# Altium PCB PCB_v6.PcbDoc (part 2 of 7) (continued)
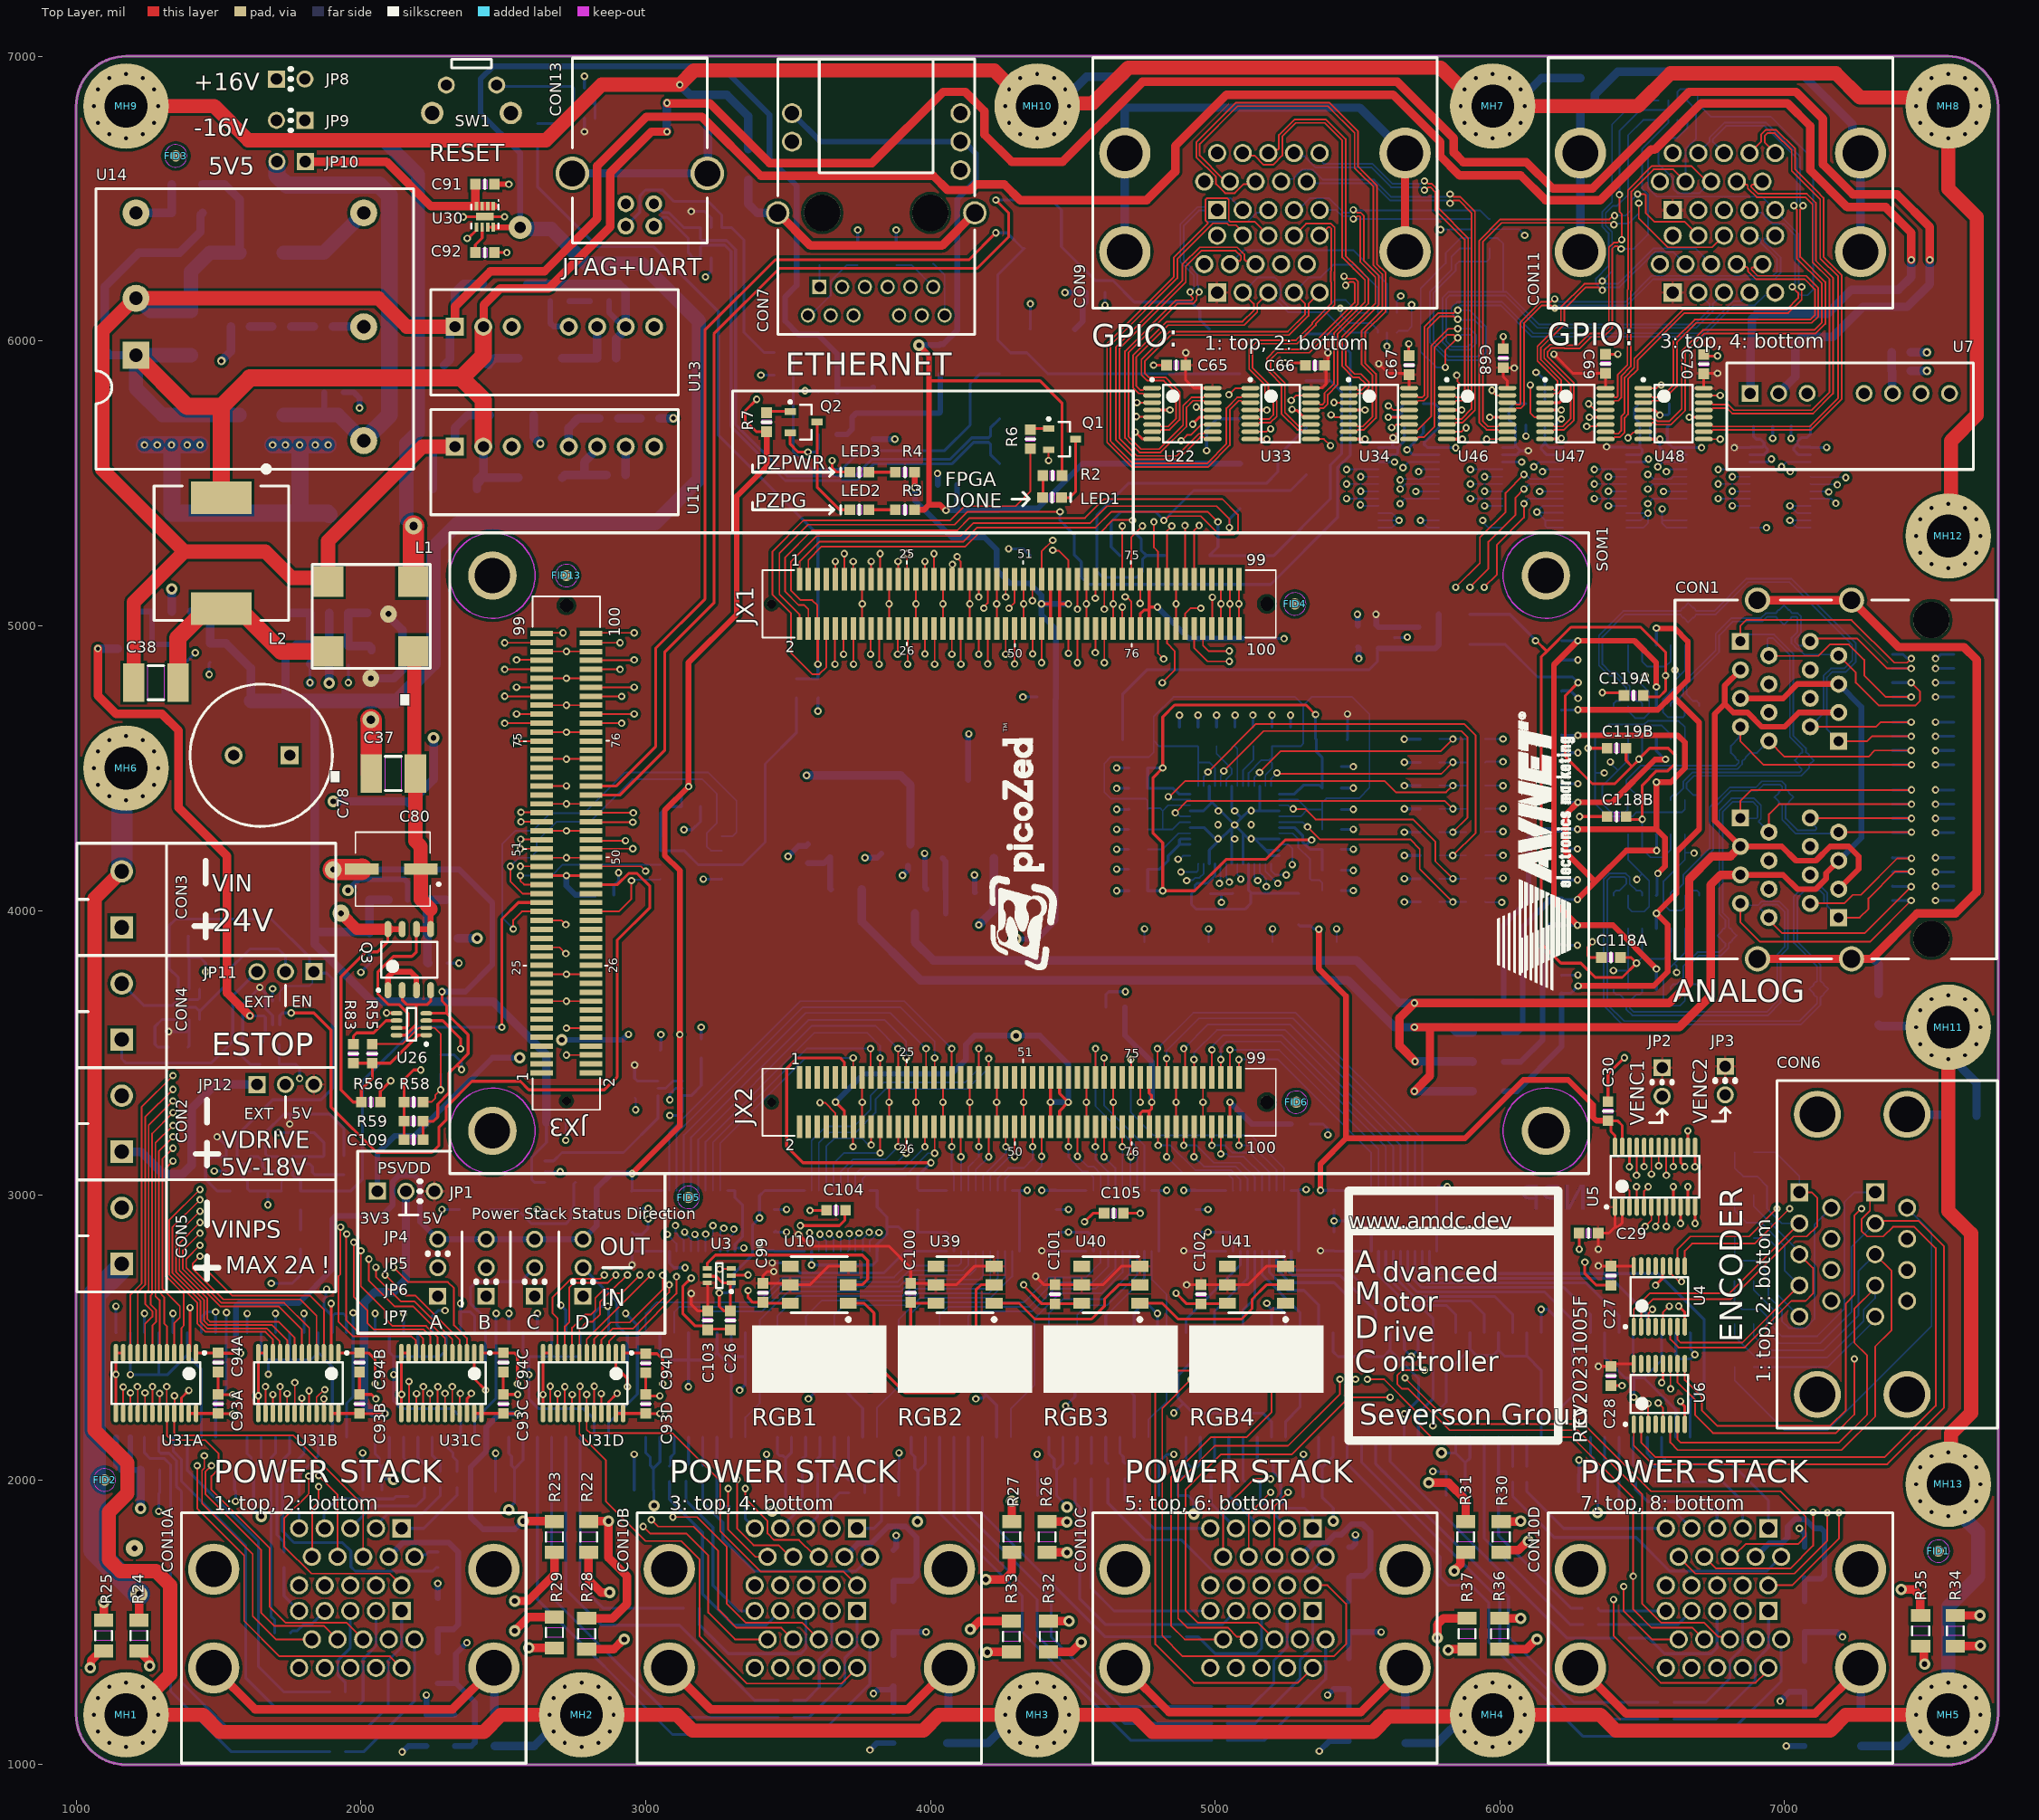
[diagram p0: Top Layer view]
## Part data
C1 C51 C52 C53 C54 C55 C56 C61 C62 C63 C64: Supplier Part Number 1=1276-1192-6-ND, Supplier 1=Digi-Key
C2 C3 C4 C8 C13 C18 C22 C83 C87 C89 C90 C104 C105 C106: Supplier Part Number 1=1276-1119-6-ND, Supplier 1=Digi-Key
C5 C26 C43 C45 C57 C58 C59 C60 C72A C72B C72C C72D C72E C72F C75A C75B C75C C75D C75E C75F C82A C82B C84A C84B C85A C85B C88A C88B C91 C98 C103 C115 C116 C117: Supplier Part Number 1=1276-6524-6-ND, Supplier 1=Digi-Key
C6 C7 C9 C10 C11 C12 C14 C15 C16 C17 C19 C20 C21 C23 C24 C25 C27 C28 C29 C30 C31 C32 C33 C34 C65 C66 C67 C68 C69 C70 C71A C71B C71C C71D C71E C71F C73A C73B C73C C73D C73E C73F C74A C74B C74C C74D C74E C74F C76A C76B C76C C76D C76E C76F C92 C93A C93B C93C C93D C93E C93F C93G C93H C94A C94B C94C C94D C94E C94F C94G C94H C99 C100 C101 C102 C107 C110 C111 C112 C113 C114 C118A C118B C119A C119B: Supplier Part Number 1=1276-1012-6-ND, Supplier 1=Digi-Key
C35 C36 C41 C42 C47 C48: Supplier Part Number 1=709-1046-6-ND, Supplier 1=Digi-Key
C37 C38 C40 C46 C49 C95: Supplier Part Number 1=445-3919-6-ND, Supplier 1=Digi-Key
C39 C44 C50 C96 C97: Supplier Part Number 1=445-9015-6-ND, Supplier 1=Digi-Key
C77A C77B C79A C79B C81A C81B C86A C86B C108 C109: Supplier Part Number 1=1276-2041-1-ND, Supplier 1=Digi-Key
C78: "Polarized Capacitor (Radial)", Supplier Part Number 1=493-12786-1-ND, Supplier 1=Digi-Key
C80: "Polarized Capacitor (Radial)", Supplier Part Number 1=493-2203-6-ND, Supplier 1=Digi-Key
CON1: "CONN MOD JACK 8P8C R/A SHIELDED", Supplier Part Number 1=RJSAE538004-ND, Supplier 1=Digi-Key
CON2 CON3 CON4 CON5: Supplier Part Number 1=277-1667-ND, Supplier 1=Digi-Key
CON6: "CONN D-SUB RCPT 9POS R/A SLDR", Supplier Part Number 1=L17H2220131-ND, Supplier 1=Digi-Key
CON7: Supplier Part Number 1=380-1110-ND, Supplier 1=Digi-Key
CON9 CON10A CON10B CON10C CON10D CON11: "CONN D-SUB PLUG 15POS R/A SLDR", Supplier Part Number 1=NOR1831-ND, Supplier 1=Digi-Key
CON13: "CONN RCPT USB2.0 TYPEB 4POS R/A", Supplier Part Number 1=102-5885-ND, Supplier 1=Digi-Key
JP1 JP4 JP5 JP6 JP7 JP11 JP12: Supplier Part Number 1=732-5316-ND, Supplier 1=Digi-Key
JP2 JP3 JP8 JP9 JP10: Supplier Part Number 1=732-5315-ND, Supplier 1=Digi-Key
L1: "CMC 450UH 6.5A 2LN TH", Supplier Part Number 1=732-2215-6-ND, Supplier 1=Digi-Key
L2: "FIXED IND 220UH 1.8A 300 MOHM", Supplier Part Number 1=732-1696-1-ND, Supplier 1=Digi-Key
LED1: Supplier Part Number 1=160-1448-6-ND, Supplier 1=Digi-Key
LED2: Supplier Part Number 1=160-1447-6-ND, Supplier 1=Digi-Key
LED3: Supplier Part Number 1=160-1446-6-ND, Supplier 1=Digi-Key
M1: "JTAG-SMT3-NC: SURFACE-MOUNT PROG", Supplier Part Number 1=1286-1196-ND, Supplier 1=Digi-Key
MH1 MH2 MH3 MH4 MH5 MH6 MH7 MH8 MH9 MH10 MH11 MH12 MH13: "MOUNTING HOLE"
Q1 Q2: Supplier Part Number 1=FDV301NCT-ND, Supplier 1=Digi-Key
Q3: library part SI4946CDY-T1-GE3, "MOSFET N-CHAN DUAL 60V SO-8", Supplier Part Number 1=SI4946CDY-T1-GE3DKR-ND, Supplier 1=Digi-Key
R1 R9 R10 R17A R17B R17C R17D R18 R19 R20 R22 R23 R24 R25 R26 R27 R28 R29 R30 R31 R32 R33 R34 R35 R36 R37 R46 R47 R57 R64 R65 R70 R71 R72 R73 R74 R75 R76 R77 R78 R79 R80 R81 R82 R93A R93B R93C R93D R94A R94B R94C R94D R95A R95B R95C R95D R96A R96B R96C R96D: Supplier Part Number 1=311-0.0ERCT-ND, Supplier 1=Digi-Key
R2 R3 R4 R48 R49: Supplier Part Number 1=311-470LDCT-ND, Supplier 1=Digi-Key
R5 R6 R7 R11 R12 R13 R14 R15 R16 R21 R60A R60B R61A R61B R62A R62B R63A R63B: Supplier Part Number 1=YAG3561DKR-ND, Supplier 1=Digi-Key
R8 R38 R39 R40 R41 R42 R43 R44 R45 R99: Supplier Part Number 1=P10.0KHCT-ND, Supplier 1=Digi-Key
R55: Supplier Part Number 1=311-390KHRCT-ND, Supplier 1=Digi-Key
R56: Supplier Part Number 1=311-178KHRCT-ND, Supplier 1=Digi-Key
R58: Supplier Part Number 1=311-4.12KHRCT-ND, Supplier 1=Digi-Key
R59: Supplier Part Number 1=311-5.90KHRCT-ND, Supplier 1=Digi-Key
R83 R84 R85 R86 R87 R88 R89 R90 R91 R92: Supplier Part Number 1=311-100KLDCT-ND, Supplier 1=Digi-Key
R98: Supplier Part Number 1=311-4.70KHRCT-ND, Supplier 1=Digi-Key
RT1A RT1B RT1C RT1D RT2A RT2B RT2C RT2D RT3A RT3B RT3C RT3D RT4A RT4B RT4C RT4D RT5A RT5B RT5C RT5D RT6A RT6B RT6C RT6D RT7A RT7B RT7C RT7D RT8A RT8B RT8C RT8D RT9A RT9B RT9C RT9D RT10A RT10B RT10C RT10D RT11A RT11B RT11C RT11D RT12A RT12B RT12C RT12D: "PTC RESET FUSE 24V 40MA 0603", Supplier Part Number 1=507-0ZCM0004FF2GCT-ND, Supplier 1=Digi-Key
SOM1: library part PicoZed_SOM, "PicoZed SOM Carrier Footprint"
SW1: "SWITCH TACTILE SPST-NO 0.05A 24V", Supplier Part Number 1=450-1662-ND, Supplier 1=Digi-Key
TP1 TP2 TP3 TP4: Supplier Part Number 1=A106145CT-ND, Supplier 1=Digi-Key
U1: "IC ADC 14BIT 1.5MSPS SAR 52QFN - 14 Bit Analog to Digital Converter 8 Input 4 SAR 52-QFN (7x8)", Supplier Part Number 1=LTC2320CUKG-14#PBF-ND, Supplier 1=Digi-Key
U2: "Series Voltage Reference IC ±0.2% 25mA SOT-23-3", Supplier Part Number 1=REF3020AIDBZTDKR-ND, Supplier 1=Digi-Key
U3 U12 U42 U44: "TXRX XLATING DUAL 3ST 6TSSOP", Supplier Part Number 1=1727-4560-1-ND, Supplier 1=Digi-Key
U4 U6 U22 U34 U47: "IC RCVR RS422 QUAD DIFF 16TSSOP", Supplier Part Number 1=296-30088-1-ND, Supplier 1=Digi-Key
U5 U24A U24B U24C U24D U24E U24F U31A U31B U31C U31D U31E U31F U31G U31H: library part SN74LVC8T245PWR, "IC BUS TRANSCVR 8BIT 24TSSOP", Supplier Part Number 1=296-18593-1-ND, Supplier 1=Digi-Key
U7: "DC-DC ISOLATED, 6 W, 9~36 VDC IN", Supplier Part Number 1=102-PQQ6W-Q24-S24-S-ND, Supplier 1=Digi-Key
U8 U32 U45: "TVS DIODE 5.5V 10V 6TSOP", Supplier Part Number 1=NUP4114HMR6T1GOSCT-ND, Supplier 1=Digi-Key
U9 U49 U50: "Res Thick Film Array 120 Ohm 5% ±200ppm/C ISOL 8-Pin 1206(4 X 0603) Convex SMD Automotive T/R", Case Code (Imperial)=1206, Case Code (Metric)=3216, Manufacturer=Panasonic, Max Operating Temperature=125°C, Min Operating Temperature=-55°C, Number of Resistors=4, Package Quantity=1, Power Per Element=62.5mW, Supplier Part Number=Y9121CT-ND, Temperature Coefficient=200ppm/°C, Tolerance=5%, Voltage Rating=50V, Voltage Rating (DC)=100V, Case/Package=1206, Category="Resistor Arrays", Circuit Type=Isolated, ComponentLink1Description=https://datasheet.ciiva.com/30227/aoc0000ce1-30227247.pdf?src-supplier=Onlinecomponents.com, ComponentLink1URL=https://datasheet.ciiva.com/30227/aoc0000ce1-30227247.pdf?src-supplier=Onlinecomponents.com, Height=0.024inch, Lead Free="Lead Free", Length=0.126inch, Manufacturer Part Number=EXB-38V121JV, Mounting Technology="Surface Mount", Number of Contacts=8, Packaging="Tape and Reel", Pins=8, Pricing="1=0.13, 10=0.113, 25=0.078, 50=0.0608, 100=0.0434, 250=0.03388, 500=0.02692, 1000=0.01911 (USD)", Radiation Hardening=No, RoHS=Yes, RoHS Compliant=Yes, Series=EXB, Stock=129474, Supplier=Digi-Key, Supplier 1=Digi-Key, Supplier Part Number 1=Y9121CT-ND, Technology="THICK FILM", Terminal Pitch=0.8mm, Termination=SMD/SMT, Weight=7.1E-05oz, Width=1.6mm
U10 U39 U40 U41: "LED RGB 5050 SMD", Supplier Part Number 1=1830-1107-1-ND, Supplier 1=Digi-Key
U11 U13: "Recom RS6", Supplier Part Number 1=945-2987-ND, Supplier 1=Digi-Key
U14: library part "DCDC Converter SHHD003A0A41Z", "DC DC CONVERTER 5V 15W", Supplier Part Number 1=555-1312-ND, Supplier 1=Digi-Key
U15 U20: "IC REG LINEAR 5V 3A 5DDPAK", Supplier Part Number 1=LT1529CQ-5#PBF-ND, Supplier 1=Digi-Key
U16: "IC REG LINEAR 1.8V 600MA SOT25", Supplier Part Number 1=AP2112K-1.8TRG1DICT-ND, Supplier 1=Digi-Key
U17: "IC REG LINEAR 3.3V 1A SOT223", Supplier Part Number 1=AP2114H-3.3TRG1DICT-ND, Supplier 1=Digi-Key
U18: "IC REG LINEAR 15V 500MA DPAK", Supplier Part Number 1=MC78M15CDTRKGOSCT-ND, Supplier 1=Digi-Key
U19: "IC REG LINEAR -15V 500MA DPAK", Supplier Part Number 1=MC79M15CDTRKGOSCT-ND, Supplier 1=Digi-Key
U21: "IC REG LINEAR 1.8V 3A 5DDPAK", Supplier 1=Digi-Key, Supplier Part Number 1=LT1764EQ-1.8#PBF-ND
U23A U23B U23C U23D U23E U23F U25A U25B U25C U25D U25E U25F: "IC MOSFET DVR QUAD AND 16SOIC", Supplier Part Number 1=TC4468COE-ND, Supplier 1=Digi-Key
U26: library part LTC4365CTS8#TRMPBF, "IC OVERVOLTAGE PROT TSOT23-8", Supplier Part Number 1=LTC4365CTS8#TRMPBFCT-ND, Supplier 1=Digi-Key
U27: "IC EEPROM 128K SPI 20MHZ 8SOIC", Supplier Part Number 1=CAT25128VI-GT3OSCT-ND, Supplier 1=Digi-Key
U28A U28B U29A U29B: "IC OPAMP DIFF 150KHZ 14SOIC", Supplier Part Number 1=INA2143UA-ND, Supplier 1=Digi-Key
U30: "IC LOAD SWITCH 6A 8WSON", Supplier Part Number 1=296-34943-1-ND, Supplier 1=Digi-Key
U33 U46 U48: "IC DRIVER 4/0 16TSSOP", Supplier Part Number 1=296-30087-1-ND, Supplier 1=Digi-Key
U35 U36 U37 U38: "TVS DIODE 12V 19V 8SO", Supplier Part Number 1=1655-1701-1-ND, Supplier 1=Digi-Key
U43: "IC GATE AND 1CH 2-INP SOT353", Supplier Part Number 1=74AHCT1G08SE-7DICT-ND, Supplier 1=Digi-Key

## Via types
v1: diameter 26, hole 14, Top Layer to Bottom Layer, tented both sides, 919 vias
v2: diameter 40, hole 20, Top Layer to Bottom Layer, tented both sides, 53 vias
v3: diameter 60, hole 20, Top Layer to Bottom Layer, tented both sides, 6 vias
v4: diameter 30, hole 16, Top Layer to Bottom Layer, tented both sides, 5 vias
v5: diameter 60, hole 30, Top Layer to Bottom Layer, tented both sides, 2 vias
v6: diameter 80, hole 40, Top Layer to Bottom Layer, tented both sides, 1 vias

## Nets (pads, with @x,y where several pads share a name; then routed paths per layer and width w, separated by ;. In a path a pad name is that pad's centre, name@x,y a point inside that pad or via, vN(x,y) a via of type N, cw(c..) or ccw(c..) an arc to the next point about the centre after c; other vN are vias at no path point)
1.8V: C26.1 C30.1 C43.1 C74A.2 C74B.2 C74C.2 C74D.2 C74E.2 C74F.2 C94A.1 C94B.1 C94C.1 C94D.1 C94E.1 C94F.1 C94G.1 C94H.1 C107.2 C110.2 C114.1 C116.2 JP4.3 JP5.3 JP6.3 JP7.3 M1.2 R7.2 R38.1 R73.1 R81.1 SOM1.JX2-11 U3.1 U3.5 U5.23 U5.24 U12.1 U12.5 U24A.1 U24A.2 U24B.1 U24B.2 U24C.1 U24C.2 U24D.1 U24D.2 U24E.1 U24E.2 U24F.1 U24F.2 U27.3 U27.7 U27.8 U31A.1 U31B.1 U31C.1 U31D.1 U31E.1 U31F.1 U31G.1 U31G.2 U31H.1 U31H.2 U42.1 U42.5 U44.6 | length 26547.2
  Top Layer w10: U31A.1@1421.04,2446.3 C94A.1@1498.77,2446.3 1500.07,2445 v1(1578.15,2445) ; U31B.1@1921.04,2446.3 C94B.1@1995.3,2446.3 2026.7,2446.3 2050,2423 v1(2050,2337.4) ; U31C.1@2423.43,2446.3 C94C.1@2500.3,2446.3 2538.7,2446.3 2550,2435 v1(2550,2337.4) ; U31D.1@2921.04,2446.3 2997.46,2446.3 C94D.1@3000.3,2443.46 3039.99,2443.46 3060,2423.46 v1(3060,2337.4) ; U3.5@3216.4,2717.91 3219.05,2715.25 3247.14,2715.25 3270.08,2692.32 U3.1@3300.77,2692.32 ; v1(3258.72,2656.89) 3258.72,2609.42 3274.2,2593.94 C26.1@3297.89,2593.94 3297.89,2689.44 U3.1@3300.77,2692.32 ; U3.1@3301.04,2692.32 U3.1@3300.77,2692.32 ; v1(3390,5795) 3350,5755 3350,5720 3388.46,5681.54 R7.2@3425,5681.54 ; SOM1.JX2-11@3697.56,3413.23 3697.56,3467.51 3682.62,3482.45 3532.91,3482.45 3495.18,3444.72 3495.18,3171.32 3552.5,3114 v1(4002,3114) ; U5.24@6404.25,3171.3 6404.25,3209.9 6389.98,3224.17 6389.98,3251.2 C30.1@6379.65,3261.54 6413.46,3261.54 6429.84,3245.16 U5.23@6429.84,3171.3
  Top Layer w20: v1(2952.31,3076.11) 3120,3243.81 v1(3120,3564.11) 3120,4140.18 3066.82,4193.36 3066.82,4351.18 v1(3150.92,4435.28) 3150.92,4870.92 3320,5040 3320,5455 3425,5560 R7.2@3425,5681.54 ; v1(5364.37,3934.11) 5364.37,3795 5460,3699.37 5460,3200 ; v1(5370,3017.34) 5370,3110 5460,3200 ; C30.1@6379.65,3261.54 6339.34,3261.54 6327.63,3273.25 6327.63,3317.37 6240,3405 6082.61,3405 5877.61,3200 5460,3200
  Top Layer w30: v1(1076.14,4920) 1076.14,4754.81 1140.94,4690 1301.51,4690 1360,4631.51 1360,4360.77 1530,4190.77 1530,3710 v1(1610,3630)
  Int4 (PWR) w20: v1(1578.15,2445) 1942.4,2445 2051.15,2336.25 2078.85,2336.25 2104.92,2310.19 2104.92,2286.75 2124.5,2267.17 2456.64,2267.17 2525.73,2336.25 2548.85,2336.25 v1(2550,2337.4) 2551.15,2336.25 2570.85,2336.25 2590,2317.1 2590,2295.38 2618.22,2267.17 2937.17,2267.17 3007.4,2337.4 v1(3060,2337.4) ; v1(1610,3630) 1550,3570 1550,3289.9 1619.9,3220 v1(1710,3220) 2084.69,2845.31 JP4.3@2269.89,2845.31 ; v1(2952.31,3076.11) 3243.89,3076.11 v1(3400,2920) 3538,3058 3946,3058 v1(4002,3114) 4056,3060 4348.68,3060 v1(4391.33,3017.34) 4433.99,3060 4847.34,3060 v1(4890,3017.34) 4932.66,3060 5327.34,3060 v1(5370,3017.34) ; v1(3390,5795) 3433.46,5795 3553.46,5915 4280,5915 4472.5,6107.5 ; v1(4472.5,6170) 4472.5,6107.5 ; v1(7147.7,5626.29) 7146.79,5625.37 6885.37,5625.37 6845,5585 6789,5585 6749.77,5624.23 6709.5,5624.23 v1(6708.35,5625.37) 6637.55,5696.17 6368.21,5696.17 6337.83,5665.8 6271.72,5665.8 6260,5677.51 6260,5708.39 6243.74,5724.65 6216.6,5724.65 v1(6215.45,5725.8) 6073.35,5725.8 6036.46,5688.9 6036.46,5650.27 5986.18,5600 5910,5600 5886.15,5623.85 5846.15,5623.85 5772.58,5697.42 5772.58,6006.53 5724.1,6055 4525,6055 4472.5,6107.5
  Bottom Layer w10: v1(1610,3630) 1658.55,3630 1664.41,3624.14 1664.41,3569.41 1655,3560 1655,3538.46 C114.1@1646.54,3530 ; U42.5@1707.68,3110 1735,3110 1760.59,3135.59 U42.1@1792.32,3135.59 1867.13,3135.59 C110.2@1870,3138.46 1870,3185 1835,3220 v1(1710,3220) ; C74F.2@2950.22,3014.21 C74F.2@2952.31,3016.3 ; v1(2952.31,3076.11) C74F.2@2952.31,3016.3 ; U12.5@3043.52,3375.41 3070.41,3375.41 3096,3401 U12.1@3123.16,3401 ; U24F.2@3057.15,3016.3 U24F.1@3031.56,3016.3 C74F.2@2952.31,3016.3 ; v1(3120,3564.11) 3120,3511.4 C43.1@3120.29,3511.11 3120.29,3403.88 U12.1@3123.16,3401 ; U12.1@3128.16,3401 U12.1@3123.16,3401 ; v1(3150.92,4435.28) 3126.19,4410.55 C107.2@3126.19,4365 3075.51,4365 3053.36,4342.85 3053.36,4261.35 U27.8@3052.38,4260.37 U27.7@3052.38,4210.37 3134.66,4210.37 3184.66,4160.37 U27.3@3266.94,4160.37 3340.37,4160.37 3420,4240 3420,4515 3530,4625 R38.1@3530,4746.54 ; v1(3258.72,2656.89) 3286.89,2656.89 3310,2680 3310,2725 3375,2790 3375,2895 v1(3400,2920) 3400,2998.06 3418.24,3016.3 C74E.2@3452.31,3016.3 U24E.1@3531.56,3016.3 U24E.2@3557.15,3016.3 ; C74D.2@3954.9,3023.29 3954.9,3066.9 v1(4002,3114) ; C74D.2@3960.41,3016.3 U24D.1@4031.56,3016.3 U24D.2@4057.15,3016.3 ; v1(4391.33,3017.34) 4441.26,3017.34 C74C.2@4442.31,3016.3 U24C.1@4521.56,3016.3 U24C.2@4547.15,3016.3 ; v1(4890,3017.34) 4931.26,3017.34 C74B.2@4932.31,3016.3 U24B.1@5011.56,3016.3 U24B.2@5037.15,3016.3 ; R81.1@5293.06,3950.87 5298.52,3945.4 5335.66,3945.4 5345.86,3935.2 5363.28,3935.2 v1(5364.37,3934.11) ; v1(5370,3017.34) 5416.92,3017.34 C74A.2@5417.97,3016.3 U24A.1@5497.22,3016.3 U24A.2@5522.81,3016.3 ; C94E.1@5731.61,5780 5770.76,5780 5786.3,5764.46 5786.3,5696.17 5734.78,5644.65 5734.78,5636.37 5745.4,5625.75 U31E.1@5786.3,5625.75 5786.67,5625.37 5844.63,5625.37 v1(5845,5625) ; v1(6215.45,5725.8) 6194.66,5705 C94G.1@6158.46,5705 6158.46,5640.51 ; U31G.2@6221.3,5600.16 6165.35,5600.16 6145.87,5619.64 6145.87,5627.92 6158.46,5640.51 ; U31G.1@6221.3,5625.75 6173.23,5625.75 6158.46,5640.51 ; C94F.1@6595.46,5705 6588.19,5697.72 6588.19,5644.61 6607.05,5625.75 U31F.1@6656.3,5625.75 6707.98,5625.75 v1(6708.35,5625.37) ; C94H.1@7090.48,5702.05 7090.48,5671.86 7079.9,5661.29 7059.8,5661.29 7044.41,5645.89 7044.41,5637.6 ; U31H.2@7091.3,5600.16 7049.08,5600.16 7032.16,5617.07 7032.16,5625.36 7044.41,5637.6 ; v1(7147.7,5626.29) 7147.43,5626.02 7091.57,5626.02 U31H.1@7091.3,5625.75 7090.2,5626.85 7055.16,5626.85 7044.41,5637.6
  Bottom Layer w20: v1(1578.15,2445) 1578.15,2446.62 1561,2463.77 1561,2610.14 1572.72,2621.86 1781.69,2621.86 1900,2740.16 1900,2915.87 1911.72,2927.59 2074.16,2927.59 2111.81,2965.24 2111.81,3047.8 2135.55,3071.54 2185.3,3071.54 2207.5,3049.34 2207.5,2907.7 JP4.3@2269.89,2845.31 JP5.3@2439.92,2845.31 JP6.3@2609.96,2845.31 JP7.3@2780,2845.31 2827.99,2893.3 2827.99,3024.46 2879.64,3076.11 v1(2952.31,3076.11) ; v1(4472.5,6170) C116.2@4546.54,6170 4546.54,6136.54 4535,6125 4535,6069.01 M1.2@4507.76,6041.77
  Bottom Layer w30: v1(1076.14,4920) R73.1@1146.78,4920
3.3V: C115.2 CON7.14 CON7.16 JP1.1 M1.8 M1.15 R2.1 R3.1 R70.1 | length 8184.3
  Top Layer w10: 3995,5860 4385,5860 4462.11,5782.89 R2.1@4462.11,5527.6
  Top Layer w20: R3.1@3944.51,5407.01 R3.1@3944.02,5407.5 3977.72,5407.5 3995,5424.78 ; v2(3960,5985) 3995,5950 3995,5860 3995,5424.78 ; v1(4055,5405) 4053.38,5405 4033.59,5424.78 3995,5424.78
  Int3 (Sign) w20: v2(2557.83,3482.45) 2620.82,3545.44 v2(2705.11,3545.44) ; v1(2940,3565) 2940,3940 3040,4040 3040,5265 3085,5310 4005,5310 4055,5360 v1(4055,5405)
  Bottom Layer w20: JP1.1@2058.11,3014.21 2058.11,3148.11 2118.3,3208.3 2187.6,3208.3 2461.75,3482.45 v2(2557.83,3482.45) ; v2(2705.11,3545.44) 2918.82,3545.44 2938.38,3565 v1(2940,3565) ; CON7.14@3514,6800 3614,6700 CON7.16@4106,6700 4110.62,6695.38 4122.55,6695.38 4160,6657.93 4160,6563.82 4094.13,6497.95 4094.13,6037.44 4045.83,5989.13 R70.1@4035,5989.13 4031.63,5985.77 3960.77,5985.77 v2(3960,5985) ; v1(4055,5405) 4093.38,5405 4093.46,5405.09 ; C115.2@4093.46,5495 4093.46,5405.09 ; M1.8@5087.48,5569.33 4534.33,5569.33 4376.85,5411.85 M1.15@4242.99,5411.85 4236.23,5405.09 4093.46,5405.09
5.5V: C51.1 C53.1 C55.1 C61.1 C63.1 U15.4 U15.5 U16.1 U17.3 U20.4 U20.5 U21.1 U21.2 U30.7 U30.8 | length 10149.4
  Top Layer w10: U30.7@2445.42,6399.21 U30.8@2465.11,6399.21
  Top Layer w20: U30.8@2465.11,6399.21 v6(2559.51,6399.2)
  Bottom Layer w10: U16.1@2645.87,3045.43 2609.57,3045.43 2600,3055 2600,3133.27 2651.54,3184.8 C53.1@2651.54,3255
  Bottom Layer w20: v6(2559.51,6399.2) 2559.51,6660.49 2420,6800 2420,6920 2465,6965 3265,6965 3435,6795 3435,6640 3530,6545 3530,6195 3490,6155 3490,6069.73 3537.17,6022.56 3605.14,6022.56 3673.46,5954.23 3673.46,5829.45 C55.1@3673.46,5821.61 C55.1@3673.73,5821.88 ; C55.1@3681.3,5829.45 3792.13,5829.45 U17.3@3799.84,5837.17
  Bottom Layer w30: U21.2@1403.39,5050 U21.1@1470.39,5050 C63.1@1470.39,4938.46 1470.65,4938.73 1525.73,4938.73 1614,4850.46 1614,4736 ; 1737.32,4736 1735.41,4737.91 1735.41,4895.41 1773.46,4933.46 C61.1@1821.84,4933.46 U20.4@1821.84,5045 U20.5@1754.84,5045 ; 1838,4736 1838,3926.2 ; U15.4@2097.3,4037.33 U15.5@2030.3,4037.33 C51.1@2030.3,3920.8 2026.6,3924.5 1839.7,3924.5 1838,3926.2 ; C53.1@2651.54,3255 2651.54,3493.46 2465,3680 2040,3680 1838,3882 1838,3926.2
  Bottom Layer w50: 1614,4736 1737.32,4736 1838,4736 2124.8,4736 2255,4866.2 2255,5275 2340,5360 3032.99,5360 3187.24,5514.25 3187.24,6070.12 2985.2,6272.17 2789.82,6272.17 2668.52,6393.46 2565.25,6393.46 v6(2559.51,6399.2)
5.5VICL: C91.2 JP10.1 U30.1 U30.2 U30.3 U30.4 | length 802
  Top Layer w30: JP10.1@1805,6630 2089.39,6630 2245.77,6473.62 U30.4@2402.86,6473.62 ; C91.2@2402.12,6550.47 2402.12,6474.37 U30.4@2402.86,6473.62 ; U30.1@2465.11,6473.62 U30.2@2445.42,6473.62 U30.3@2425.74,6473.62 U30.4@2406.05,6473.62 U30.4@2402.86,6473.62
5.5VJMP: C47.2 C50.2 JP10.2 U14.6 | length 1770.2
  Bottom Layer w20: 1870,5740 1871.54,5741.54 C50.2@1871.54,5820
  Bottom Layer w50: C47.2@1728.87,5740 1870,5740 1920,5740 U14.6@2010,5650
  Bottom Layer w60: JP10.2@1705,6630 1705,6582.18 1740.15,6547.03 2064.85,6547.03 2100,6511.88 2100,5740 U14.6@2010,5650
5V: C27.2 C28.2 C29.1 C45.1 C65.1 C66.1 C67.1 C68.1 C69.1 C70.1 C71A.1 C71B.1 C71C.1 C71D.1 C71E.1 C71F.1 C93E.1 C93F.1 C93G.1 C93H.1 C98.2 C99.2 C100.2 C101.2 C102.2 C103.1 C111.1 C112.2 C113.2 CON9.1A CON9.1B CON11.1A CON11.1B JP1.3 JP2.1 JP3.1 JP12.3 R5.1 R72.1 R80.1 U2.1 U3.6 U4.16 U5.1 U5.2 U6.16 U8.5 U10.3 U10.5 U12.6 U22.16 U24A.23 U24A.24 U24B.23 U24B.24 U24C.23 U24C.24 U24D.23 U24D.24 U24E.23 U24E.24 U24F.23 U24F.24 U31E.23 U31E.24 U31F.23 U31F.24 U31G.23 U31G.24 U31H.23 U31H.24 U32.5 U33.16 U34.16 U39.3 U39.5 U40.3 U40.5 U41.3 U41.5 U42.6 U43.5 U44.1 U44.5 U45.5 U46.16 U47.16 U48.16 | length 9054.5
  Top Layer w10: v1(3160,2655) 3160,2616.63 3182.7,2593.94 C103.1@3217.89,2593.94 3217.89,2690.82 U3.6@3216.4,2692.32 ; v1(3450,2731.91) 3426.69,2731.91 3411.91,2717.13 C99.2@3411.91,2690.35 3502.58,2690.35 U10.5@3507.42,2685.51 3576.85,2685.51 3641.82,2750.47 U10.3@3712.15,2750.47 ; v1(3536.95,2861.58) 3577.39,2821.14 3853.66,2821.14 3930.89,2743.91 C100.2@3930.89,2690.35 4014.39,2690.35 U39.5@4019.23,2685.51 4090.51,2685.51 4155.47,2750.47 U39.3@4223.96,2750.47 ; v1(4370,2715) 4399.49,2685.51 C101.2@4437.89,2685.51 U40.5@4531.04,2685.51 4605.51,2685.51 4670.47,2750.47 U40.3@4735.77,2750.47 U40.3@4745.61,2750.47 ; v1(4897,5958.9) 4896.81,5958.71 C65.1@4896.81,5915 4896.81,5862.71 4924.96,5834.57 U22.16@4991.3,5834.57 ; v1(4900.27,2685.51) C102.2@4950.65,2685.51 U41.5@5042.86,2685.51 5115.51,2685.51 5180.47,2750.47 U41.3@5247.58,2750.47 ; U33.16@5336.3,5834.57 5337.4,5835.67 5376.25,5835.67 5389.63,5849.04 C66.1@5389.63,5904.82 ; C66.1@5375.41,5918.69 C66.1@5388.78,5905.31 ; C66.1@5384.41,5914.3 5396,5925.89 v1(5396,5958.71) ; v1(5575,5920) 5608.46,5886.54 5676.3,5886.54 C67.1@5681.3,5881.54 U34.16@5681.3,5834.57 ; U46.16@6026.3,5834.57 6026.3,5860 6011.93,5874.37 C68.1@6011.93,5906.04 6012.74,5905.24 v1(6050.83,5905.24) ; v1(6189.8,5953.46) 6256.73,5886.54 C69.1@6371.46,5886.54 6371.3,5886.38 U47.16@6371.3,5834.57 ; v1(6346,2398.72) C28.2@6389.98,2398.72 6399.15,2407.89 U6.16@6470.41,2407.89 ; v1(6346,2752.05) 6347.36,2750.69 C27.2@6389.98,2750.69 U4.16@6470.41,2750.69 ; v1(6346,2810) 6346,2865.99 C29.1@6345.2,2866.8 6382.61,2866.8 6404.25,2888.44 ; U5.1@6404.25,2958.7 6404.25,2888.44 ; U5.2@6429.84,2958.7 6429.84,2902.95 6415.33,2888.44 6404.25,2888.44 ; U48.16@6716.3,5834.57 C70.1@6716.3,5885.22 6717.61,5886.54 v1(6764.37,5886.54)
  Bottom Layer w10: v1(1325,3575) 1396.54,3575 ; R5.1@1392.6,3520 1396.54,3523.94 1396.54,3575 ; U32.5@1396.54,3616.85 1396.54,3575 ; v1(1495,3205) 1527.68,3172.32 U43.5@1527.68,3135.59 1475.59,3135.59 1455,3115 1455,3055 1495,3015 C111.1@1541.54,3015 ; C113.2@1646.54,3460 1610,3460 1585,3485 1585,3670 v1(1645,3730) 1664.41,3710.59 1664.41,3655.59 1690,3630 U44.5@1690,3597.68 ; U42.6@1707.68,3135.59 1674.41,3135.59 1665,3145 1665,3220 1730,3285 1751.25,3285 ; v1(1750,3250) 1751.25,3251.25 1751.25,3285 ; C112.2@1940,3138.46 1940,3235 1890,3285 1751.25,3285 ; v1(2785,6735) U8.5@2785,6781.85 ; v1(2952.31,2755.31) C71F.1@2952.31,2803.7 U24F.24@3031.56,2803.7 U24F.23@3057.15,2803.7 ; v1(2961.36,3457.46) 2961.36,3410.04 C45.1@2962.52,3408.88 2970.4,3401 U12.6@3043.52,3401 ; v1(3160,6455) 3207.83,6455 3230,6432.83 U45.5@3230,6398.15 ; v1(3400,2825) 3419.09,2805.91 3450.1,2805.91 C71E.1@3452.31,2803.7 U24E.24@3531.56,2803.7 U24E.23@3557.15,2803.7 ; v1(3445,2762.23) 3506.31,2762.23 3541.07,2727.47 3837.83,2727.47 3914.06,2803.7 C71D.1@3954.9,2803.7 4028.96,2803.7 4030.26,2805 U24D.24@4031.56,2803.7 U24D.23@4057.15,2803.7 ; v1(4391.33,2805) 4441.01,2805 C71C.1@4442.31,2803.7 U24C.24@4521.56,2803.7 U24C.23@4547.15,2803.7 ; v1(4890,2805) 4891.3,2803.7 C71B.1@4932.31,2803.7 U24B.24@5011.56,2803.7 U24B.23@5037.15,2803.7 ; v1(5370,2805) 5416.67,2805 C71A.1@5417.97,2803.7 U24A.24@5497.22,2803.7 U24A.23@5522.81,2803.7 ; R80.1@5464.13,4600 5465,4600.87 v1(5465,4690) ; U31E.23@5573.7,5600.16 5635.76,5600.16 5641.61,5606.02 5641.61,5625.75 ; U31E.24@5573.7,5625.75 5623.34,5625.75 ; v1(5625,5660) 5623.34,5658.34 5623.34,5625.75 ; C93E.1@5664.69,5705 5664.69,5648.82 5641.61,5625.75 ; U31G.23@6008.7,5600.16 6058.39,5600.16 6068.69,5610.46 6068.69,5618.75 ; U31G.24@6008.7,5625.75 6049.18,5625.75 6055.04,5631.61 ; C93G.1@6091.54,5780 6050.99,5780 6031.62,5760.62 6031.62,5724.04 6055.04,5700.62 6055.04,5631.61 ; v1(6100.31,5614.61) 6099.79,5615.13 6072.31,5615.13 6068.69,5618.75 ; v1(6375,5628.56) 6376.71,5626.85 6442.6,5626.85 U31F.24@6443.7,5625.75 6492.13,5625.75 ; U31F.23@6443.7,5600.16 6491.65,5600.16 6500,5608.51 6500,5617.87 6492.13,5625.75 ; C93F.1@6528.54,5780 6490.23,5780 6472.28,5762.05 6472.28,5731.14 6492.13,5711.29 6492.13,5625.75 ; v1(6823.79,5625.37) 6823.97,5625.56 6878.51,5625.56 U31H.24@6878.7,5625.75 6879.8,5626.85 6922.14,5626.85 6928,5632.71 ; U31H.23@6878.7,5600.16 6926.91,5600.16 6939.59,5612.83 6939.59,5621.12 6928,5632.71 ; C93H.1@6890.32,5700.75 6890.32,5665.8 6900.69,5655.42 6915,5655.42 6928,5642.42 6928,5632.71 ; 5623.34,5625.75 5641.61,5625.75 ; 6055.04,5631.61 6055.84,5631.61 6068.69,5618.75
  Bottom Layer w20: v1(5565,5040) 5566.15,5038.85 5566.15,5002.32 C98.2@5568.46,5000 5573.46,4995 5714.84,4995 U2.1@5714.88,4994.96
  Bottom Layer w30: v3(2035,4815.29) 2115.29,4815.29 2145.52,4845.52 R72.1@2145.52,4915 2145.52,4984.65 2096.87,5033.3 v3(2096.87,5041.42)
24V: C96.2 C97.2 CON9.6A CON9.6B CON11.6A CON11.6B U7.6 | length 5502.4
  Int3 (Sign) w40: CON9.6A@4962,6270 4915.51,6316.49 4915.51,6504.31 4962,6550.8 CON9.6B@4962,6560 4962,6566.49 4911.57,6616.93 4911.57,6714.57 5016.31,6819.31 5705.08,6819.31 6011.93,6512.46 6011.93,6183.43 6179.86,6015.5 7120.32,6015.5 7170,5965.82 7170,5814.63 7252.43,5732.2 7352.21,5732.2 7375.65,5755.64 7375.65,5812.61 U7.6@7379.29,5816.26 7379.29,5936.35 7225.64,6090 6569.67,6090 6522.12,6137.55 6522.12,6225.23 6562,6265.11 CON11.6A@6562,6270 6510,6322 6510,6403.65 6539.37,6433.02 6539.37,6528.17 6562,6550.8 CON11.6B@6562,6560
  Bottom Layer w30: C97.2@7376.54,5960 C96.2@7376.54,5895 7377.91,5893.62 7377.91,5817.64 U7.6@7379.29,5816.26
+15V: CON1.3A CON1.3B CON1.3C CON1.3D R71.1 R75.1 R78.1 | length 5951.7
  Top Layer w20: CON1.3B@6845,4845 6790,4790 6790,4725 ; CON1.3C@7190,4075 7260,4145 7260,4190 7225,4225 7160,4225 7110,4175 7040,4175 6990,4225 CON1.3A@6845,4225 6755,4315 6755,4690 6790,4725 ; CON1.3D@7190,4695 7050,4695 7000,4645 6920,4645 6870,4695 6820,4695 6790,4725
  Top Layer w30: v1(5701.95,3470) 5647.47,3524.47 5647.47,3622.47 v1(5700,3675) 6595,3675 6665,3745 6665,4110 6745,4190 6810,4190 CON1.3A@6845,4225
  Bottom Layer w30: R71.1@3945.87,3990 3945.87,3889.13 4010,3825 5497.11,3825 5647.11,3675 v1(5700,3675) R78.1@5904.97,3675 ; v1(5701.95,3470) 5903.3,3470 R75.1@5904.97,3468.33
+15VA: C82A.2 C85A.2 R75.2 U28A.11 U29A.11 | length 2677.2
  Top Layer w20: v1(6550,3794.66) 6550,3795 6396.89,3948.11 v1(6272.37,3948.11) 6190,4030.49 6190,4862.96 v1(6274.15,4947.11) 6472.89,4947.11 6548.85,4871.15 6548.85,4786.15 v1(6550,4785)
  Bottom Layer w10: C85A.2@6216.65,3948.94 6217.47,3948.11 v1(6272.37,3948.11) ; C82A.2@6216.65,4947.26 6274.01,4947.26 v1(6274.15,4947.11) ; U29A.11@6550,3722.72 v1(6550,3794.66) ; U28A.11@6550,4717.72 v1(6550,4785)
  Bottom Layer w20: R75.2@6013.24,3468.33 6073.33,3468.33 6150,3545 6150,3920 6178.94,3948.94 C85A.2@6216.65,3948.94
+15VB: C82B.2 C85B.2 R78.2 U28B.11 U29B.11 | length 2215.7
  Top Layer w20: v1(6272.37,4285.11) 6550,4285.11 ; v1(6274.15,4615) 6625,4615 6650,4590 6650,4500 6600.61,4450.61 v1(6550,4450.61) 6550,4285.11 ; v1(6555,4130) 6580,4155 6580,4255.11 6550,4285.11
  Bottom Layer w10: C85B.2@6216.65,4283.1 6218.66,4285.11 v1(6272.37,4285.11) ; C82B.2@6216.65,4616.43 6218.07,4615 v1(6274.15,4615) ; U29B.11@6550,4052.72 6552.5,4055.22 6552.5,4127.5 v1(6555,4130) ; U28B.11@6550,4387.72 v1(6550,4450.61)
  Bottom Layer w20: R78.2@6013.24,3675 6013.24,3948.24 6100.92,4035.92 6100.92,4250.66 6133.35,4283.1 C85B.2@6216.65,4283.1
+16V: C57.2 JP8.1 U18.1 | length 5431
  Int4 (PWR) w30: JP8.1@1703.44,6919.88 1619.76,6919.88 1545,6845.13 1545,6524.76 1653.16,6416.59 1768.41,6416.59 2109.93,6075.08 2109.93,5610.07 2320,5400 2613.39,5400 2801.21,5212.17 2801.21,4016.42 2868.51,3949.11 v1(4170,3949.11)
  Bottom Layer w30: v1(4170,3949.11) 4223.46,4002.58 C57.2@4223.46,4063.9 4223.19,4064.17 4223.19,4183 U18.1@4222.92,4183.27
-15V: CON1.5A CON1.5B CON1.5C CON1.5D R74.1 R76.1 R79.1 | length 5938.5
  Top Layer w20: CON1.5A@6845,4125 6995,4125 7045,4075 7110,4075 7146.17,4111.17 7146.17,4131.17 CON1.5C@7190,4175 ; CON1.5B@6845,4745 6995,4745 7045,4795 CON1.5D@7190,4795
  Top Layer w30: v1(5700,3365) 5754.51,3419.51 5754.51,3590 ; v1(5700,3590) 5754.51,3590 ; CON1.5A@6845,4125 6775,4125 6740,4090 6740,3700 6630,3590 5754.51,3590
  Bottom Layer w20: CON1.5C@7190,4175 7270,4255 7270,4715 CON1.5D@7190,4795
  Bottom Layer w30: R74.1@3759.13,4073.9 3759.13,3960.87 3965,3755 5465,3755 5630,3590 v1(5700,3590) 5830,3590 5848.33,3571.67 R79.1@5904.97,3571.67 ; v1(5700,3365) R76.1@5904.97,3365
-15VA: C84A.1 C88A.1 R76.2 U28A.4 U29A.4 | length 2810.1
  Top Layer w20: v1(6274.01,4704.61) 6554.61,4704.61 6605,4755 ; v1(6275,3735) 6540,3735 6590,3785 6590,3950 v1(6550,3990) 6620,4060 6620,4205 6700,4285 6700,4660 6605,4755 ; v1(6549.98,4991.58) 6551.12,4990.43 6614.57,4990.43 6660,4945 6660,4810 6605,4755
  Bottom Layer w10: C88A.1@6216.65,3704.93 6220.54,3708.82 6248.82,3708.82 v1(6275,3735) ; C84A.1@6216.65,4703.25 6218.01,4704.61 v1(6274.01,4704.61) ; U29A.4@6550,3937.28 v1(6550,3990) ; U28A.4@6550,4932.28 v1(6549.98,4991.58)
  Bottom Layer w20: R76.2@6013.24,3365 6060,3365 6216.65,3521.65 C88A.1@6216.65,3704.93
-15VB: C84B.1 C88B.1 R79.2 U28B.4 U29B.4 | length 1920.7
  Top Layer w20: v1(6272.37,4038.61) 6334.38,4100.62 ; v1(6550.72,4210.61) 6444.37,4210.61 6334.38,4100.62 ; v1(6582.09,4530.84) 6580.94,4529.69 6544.69,4529.69 6395,4380 v1(6274.15,4380) 6230,4335.85 6230,4205 6334.38,4100.62
  Bottom Layer w10: C84B.1@6216.65,4377.41 6219.23,4380 v1(6274.15,4380) ; C88B.1@6217.13,4038.61 v1(6272.37,4038.61) ; U29B.4@6550,4267.28 6550.36,4266.92 6550.36,4210.98 v1(6550.72,4210.61) ; U28B.4@6550,4602.28 6550,4559.7 6578.86,4530.84 v1(6582.09,4530.84)
  Bottom Layer w20: R79.2@6013.24,3571.67 6061.67,3571.67 6080,3590 6080,3940 6178.61,4038.61 C88B.1@6217.13,4038.61
-16V: C59.1 JP9.2 U19.4 | length 4354.7
  Int4 (PWR) w30: JP9.2@1703.44,6775 1697.7,6769.26 1644.26,6769.26 1605,6730 1605,6557.5 1687.5,6475 1794.48,6475 2160,6109.48 2160,5630 2345.57,5444.43 2647.3,5444.43 2848.35,5243.39 2848.35,4602.68 2976.5,4474.53 v1(3565.46,4474.53)
  Bottom Layer w30: v1(3565.46,4474.53) U19.4@3737.96,4474.53 3895.47,4474.53 3930,4440 C59.1@3930,4233.19
ADC_1V8: C10.1 C15.1 R81.2 U1.31 U1.37 | length 730.4
  Bottom Layer w10: U1.37@4999.61,4163.66 4999.61,4122.23 4972.38,4095 4935.86,4095 4930,4089.14 4930,4071.91 C10.1@4917.09,4059 4917.09,4021.92 4934.39,4004.61 5104.66,4004.61 5125,4024.95 5125,4056.54 C15.1@5128.46,4060 ; U1.31@5117.72,4163.66 5117.72,4070.75 C15.1@5128.46,4060 ; R81.2@5293.06,4059.13 5292.19,4060 C15.1@5128.46,4060
ADC_5V: C8.1 C9.1 C13.1 C14.1 C18.1 C19.1 C22.1 C23.1 R80.2 U1.15 U1.21 U1.43 U1.44 U1.52 | length 3200.9
  Top Layer w10: v1(5338.95,4247.75) 5245.97,4247.75 5177.57,4179.34 5038.46,4179.34 4928.12,4069 v1(4815.97,4069) 4815.97,4237.45 4782.24,4271.18 4782.24,4467.03 v1(4815.97,4500.77) 4815.97,4679.53 4857.84,4721.4 5319.24,4721.4 v1(5352.52,4688.11)
  Bottom Layer w10: v1(4815.97,4069) C18.1@4763.54,4069 4763.54,4144.92 C19.1@4763.46,4145 4805,4145 4835,4175 4835,4191.81 4874.76,4231.57 ; v1(4815.97,4500.77) C23.1@4763.54,4500.77 C22.1@4763.54,4428.8 4852.87,4428.8 4872.93,4408.74 U1.52@4912.01,4408.74 ; U1.43@4912.01,4231.57 4874.76,4231.57 ; U1.44@4912.01,4251.26 4878.28,4251.26 4874.76,4247.75 4874.76,4231.57 ; U1.21@5225,4290.63 5280.22,4290.63 5307.54,4263.32 5307.54,4240.57 5320.32,4227.79 ; U1.15@5225,4408.74 5278.74,4408.74 5310,4440 5366.54,4440 C13.1@5376.54,4430 C14.1@5376.54,4505 5376.54,4535.99 5355.87,4556.66 R80.2@5355.87,4600 5352.52,4603.35 v1(5352.52,4688.11) ; v1@5334.62,4247.75 v1(5338.95,4247.75) 5320.32,4229.11 5320.32,4227.79 ; C8.1@5376.48,4140.96 C8.1@5376.48,4140.96 C9.1@5376.54,4215 5333.11,4215 5320.32,4227.79
ADC_CLKOUT: SOM1.JX1-23 TP3.1 U1.33 | length 2888.8
  Top Layer w6: SOM1.JX1-23@3886.54,5163.23 v1(3886.54,5225.5)
  Int2 (Sign) w6: v1(3886.54,5225.5) 3886.54,5062.98 3913.52,5036 4705.91,5036 4790,4951.91 4790,4570.14 4730,4510.14 4730,4079.42 4814.42,3995 5058.38,3995 5090,4026.62 v1(5090,4110)
  Int3 (Sign) w6: v1(5090,4110) 5090,4046.99 v1(5201.87,3935.11)
  Bottom Layer w6: U1.33@5078.35,4163.66 5078.35,4127.07 5090,4115.41 v1(5090,4110) ; TP3.1@5201.87,3889.11 v1(5201.87,3935.11)